# Altium PCB druino_uno_pcb.PcbDoc (part 1 of 3) (continued)
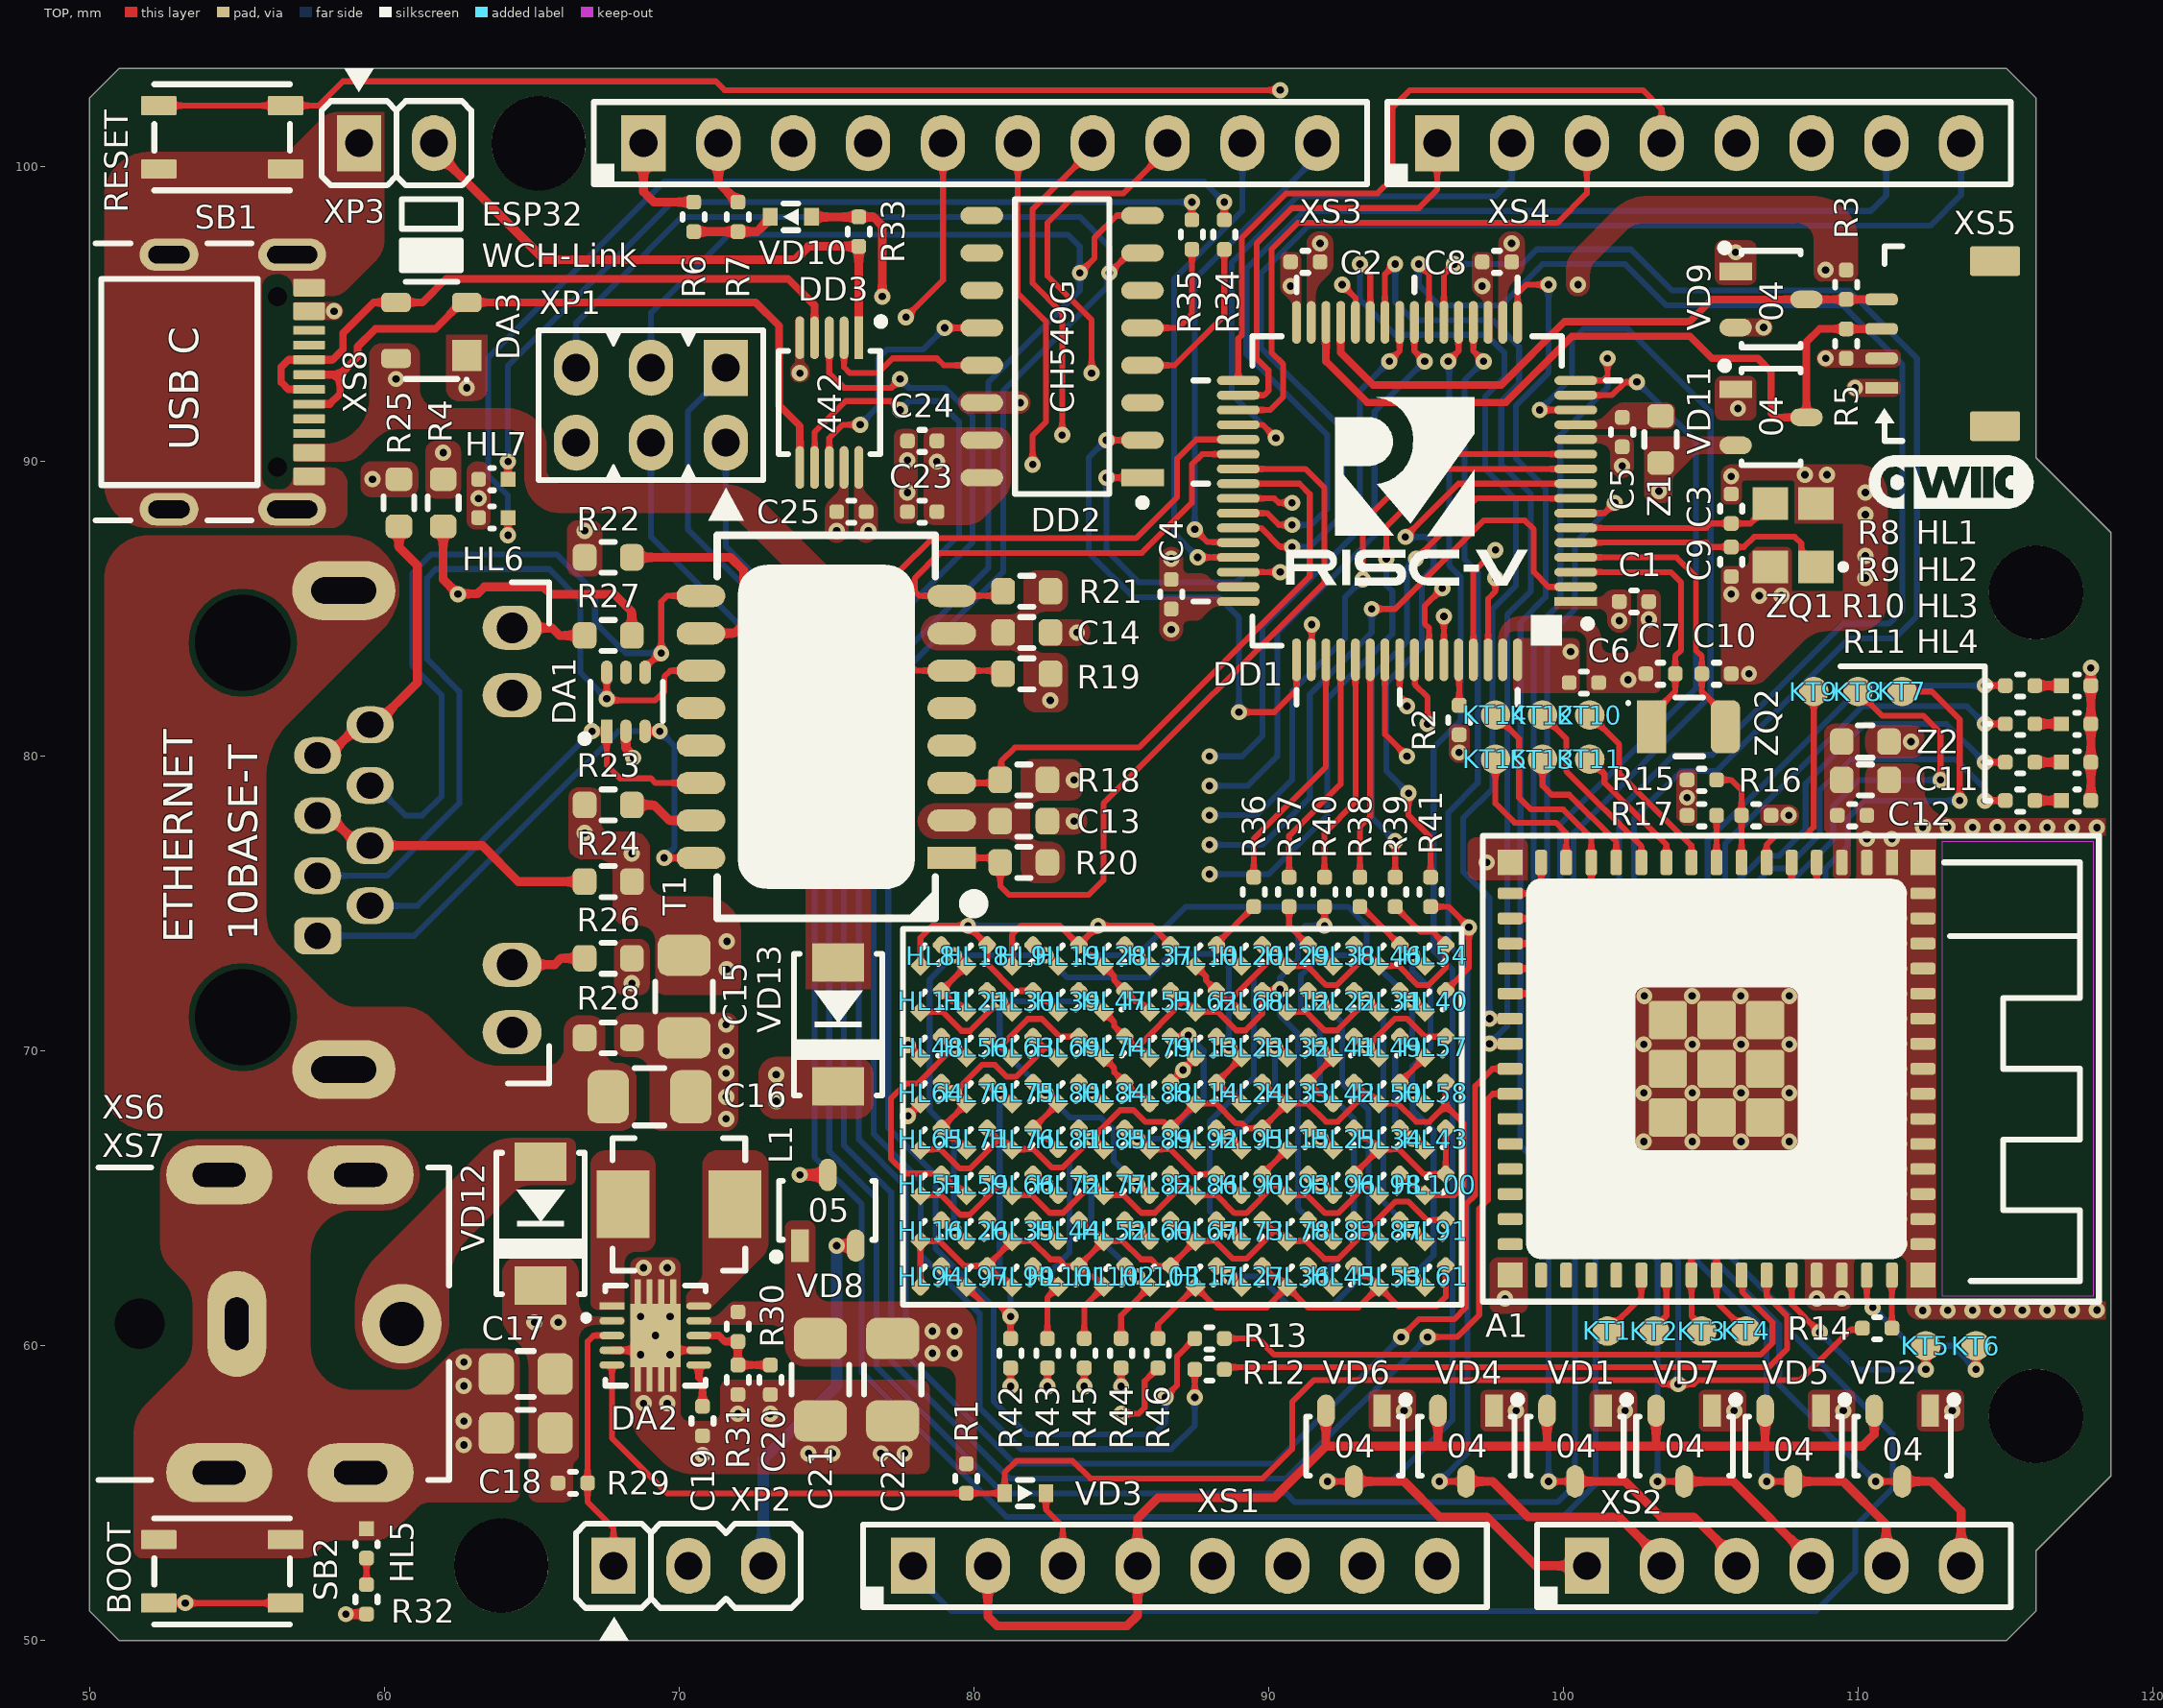
[diagram p0: TOP view]
## Footprints (in the part's own frame and the unit in brackets; to place one, negate y for a bottom-side part, rotate by r counter-clockwise, add the part's x,y. Pads: shape width x height; smd on the part's side, far side on the other; paste and mask are expansions set on the pad) (continued)
  silkscreen extent -7.25,-7.25 7.25,7.25, body extent -6,-6 6,6, height 1.6
MSOP-10 [mm] "TSOP, 8-Leads, Body 3.00x3.00mm, Pitch 0.65mm, IPC Medium Density"
  rect 1.45x0.3 smd paste+0 mask+0.03: 1(-2.2,1)
  oval 1.45x0.3 smd paste+0 mask+0.03: 2(-2.2,0.5) 3(-2.2,0) 4(-2.2,-0.5) 5(-2.2,-1) 6(2.2,-1) 7(2.2,-0.5) 8(2.2,0) 9(2.2,0.5) 10(2.2,1)
  silkscreen extent -2.87,-1.73 1.75,1.88, body extent -2.45,-1.5 2.45,1.5, height 1.15
PBS-6(blue) [mm] "H = 8.5mm"
  rect 1.9x1.5 hole 0.95: 1(0,6.39)
  oval 1.9x1.5 hole 0.95: 2(0,3.85) 3(0,1.31) 4(0,-1.23) 5(0,-3.77) 6(0,-6.31)
  silkscreen extent -1.4,-8 1.4,8.08, body extent -1.25,-7.83 1.25,7.91, height 8.5
PBS-8(BLUE) [mm] "H = 8.5mm"
  rect 1.9x1.5 hole 0.95: 1(0,8.93)
  oval 1.9x1.5 hole 0.95: 2(0,6.39) 3(0,3.85) 4(0,1.31) 5(0,-1.23) 6(0,-3.77) 7(0,-6.31) 8(0,-8.85)
  silkscreen extent -1.4,-10.54 1.4,10.62, body extent -1.25,-10.37 1.25,10.45, height 8.5
PBS-10(BLUE) [mm] "H = 8.5mm"
  rect 1.9x1.5 hole 0.95: 1(0,11.47)
  oval 1.9x1.5 hole 0.95: 2(0,8.93) 3(0,6.39) 4(0,3.85) 5(0,1.31) 6(0,-1.23) 7(0,-3.77) 8(0,-6.31) 9(0,-8.85) 10(0,-11.39)
  silkscreen extent -1.4,-13.08 1.4,13.16, body extent -1.25,-12.91 1.25,12.99, height 8.5
PLD-6 [mm]
  rect 1.9x1.5 hole 0.95: 1(1.27,-2.54)
  oval 1.9x1.5 hole 0.95: 2(-1.27,-2.54) 3(1.27,0) 4(-1.27,0) 5(1.27,2.54) 6(-1.27,2.54)
  silkscreen extent -2.54,-3.81 2.54,3.81, body extent -2.5,-3.81 2.5,3.81, height 8.4
PLS-2 [mm]
  rect 1.9x1.5 hole 0.95: 1(0,0)
  oval 1.9x1.5 hole 0.95: 2(0,2.54)
  silkscreen extent -2.54,-1.27 1.43,3.81, body extent -1.27,-1.27 1.27,3.81, height 8.54
PLS-3 [mm]
  rect 1.9x1.5 hole 0.95: 1(0,0)
  oval 1.9x1.5 hole 0.95: 2(0,2.54) 3(0,5.08)
  silkscreen extent -1.43,-1.27 2.53,6.35, body extent -1.27,-1.27 1.27,6.35, height 8.54
PWSON-10 [mm] "Power QFN 3mm x 3mm"
  rect 0.25x0.85 smd paste-0.025 mask+0.03: 1(-1,-1.475)
  oval 0.25x0.85 smd paste-0.025 mask+0.03: 2(-0.5,-1.475) 3(0,-1.475) 4(0.5,-1.475) 5(1,-1.475) 6(1,1.475) 7(0.5,1.475) 8(0,1.475) 9(-0.5,1.475) 10(-1,1.475)
  rect 1.05x0.21 smd paste-3 mask+0.03: EP(-1.375,-0.2) EP(-1.375,0.2) EP(-1.375,0.6) EP(-1.375,-0.6) EP(1.375,0.6) EP(1.375,-0.6) EP(1.375,-0.2) EP(1.375,0.2)
  rect 2.15x1.7 smd paste-3 mask+0.03: EP(0,0)
  silkscreen extent -1.7,-2.45 1.7,1.7, body extent -1.52,-1.52 1.52,1.52, height 0.8
RES0402B [mm] "Resistor 0402"
  rrect50% 0.5x0.5 smd mask+0.05: 1(-0.5,0) 2(0.5,0)
  silkscreen extent -0.1,-0.38 0.1,0.38, body extent -0.52,-0.27 0.53,0.28, height 0.41
RES0603B [mm] "Resistor 0603"
  rrect50% 0.8x0.9 smd: 1(-0.8,0) 2(0.8,0)
  silkscreen extent -0.23,-0.53 0.23,0.53, body extent -0.85,-0.45 0.85,0.45, height 0.56
SC70-6 [mm]
  rect 0.8x0.4 smd paste+0 mask+0.05: 1(-1,0.65)
  oval 0.8x0.4 smd paste+0 mask+0.05: 2(-1,0) 3(-1,-0.65) 4(1,-0.65) 5(1,0) 6(1,0.65)
  silkscreen extent -1.37,-1.25 0.67,1.52, body extent -1.2,-1.1 1.2,1.1, height 1.1
SM04B-SRSS-TB [mm]
  rect 0.4x1.1 smd mask+0.05: 1(-1.5,2.2)
  rrect70% 0.4x1.1 smd mask+0.05: 2(-0.5,2.2) 3(0.5,2.2) 4(1.5,2.2)
  rrect15% 1x1.7 smd mask+0.05: M1(-2.8,-1.65) M2(2.8,-1.65)
  silkscreen extent -3.3,1.5 3.3,2.43, body extent -3,-2.5 3,2.45, height 2.96
SMA-FL [mm] "SMA-FL Case 403AA Style 6"
  rect 1.3x1.76 smd: 1(-2.1,0) 2(2.1,0)
  silkscreen extent -2.4,-1.5 2.4,1.5, body extent -2.55,-1.3 2.55,1.3, height 1.25
SMD3225 [mm]
  rect 1.1x1.2 smd mask+0.05: 1(-1.075,-0.775) 2(1.075,-0.775) 3(1.075,0.775) 4(-1.075,0.775)
  silkscreen extent -1.17,-1.8 -0.98,-1.6, body extent -1.6,-1.25 1.6,1.25, height 0.61
SOD-523 [mm]
  rect 0.5x0.6 smd mask+0.05: 1(-0.7,0) 2(0.7,0)
  silkscreen extent -0.26,-0.45 0.25,0.45, body extent -0.77,-0.4 0.77,0.4, height 0.62
SOIC-16 [mm] "package SOIC-16, 150 mil"
  rect 1.45x0.6 smd paste+0 mask+0.05: 1(-2.725,4.445)
  oval 1.45x0.6 smd paste+0 mask+0.05: 2(-2.725,3.175) 3(-2.725,1.905) 4(-2.725,0.635) 5(-2.725,-0.635) 6(-2.725,-1.905) 7(-2.725,-3.175) 8(-2.725,-4.445) 9(2.725,-4.445) 10(2.725,-3.175) 11(2.725,-1.905) 12(2.725,-0.635) 13(2.725,0.635) 14(2.725,1.905) 15(2.725,3.175) 16(2.725,4.445)
  silkscreen extent -2.85,-5 1.6,5.42, body extent -3,-5 3,5, height 1.75
SOT23-3 [mm] "SOT23, 6-Leads, Body 2.90x2.80mm, Pitch 0.95mm, IPC Medium Density"
  rect 1.1x0.6 smd paste+0 mask+0.05: 1(-1.2,0.95)
  oval 1.1x0.6 smd paste+0 mask+0.05: 2(-1.2,-0.95) 3(1.2,0)
  silkscreen extent -1.7,-1.63 1,1.88, body extent -1.3,-1.45 1.3,1.45, height 1.14
SOT143 [mm] "SOT143, 4-Leads, Body 2.92x2.37mm, Pitch 1.90mm, IPC Medium Density"
  rect 1x1.05 smd paste+0 mask+0.05: 1(-1.2,0.85)
  rrect50% 1x0.65 smd paste+0 mask+0.05: 2(-1.2,-0.95) 3(1.2,-0.95) 4(1.2,0.95)
  silkscreen extent -1.25,-1.65 0.87,1.72, body extent -1.18,-1.45 1.18,1.45, height 1.22
TEST_PAD_R1mm [mm]
  round 1 smd mask+0.05: 1(0,0)
TVAF11 [mm]
  rrect10% 1.2x0.65 smd: 1(-2.15,1.075) 2(2.15,1.075) 3(-2.15,-1.075) 4(2.15,-1.075)
  silkscreen extent -2.3,-1.8 2.3,1.8, body extent -2.55,-1.6 2.55,1.6, height 2.51
YST310S [mm]
  rect 1x1.8 smd: 1(-1.25,0)
  rrect50% 1x1.8 smd: 2(1.25,0)
  silkscreen extent -2.05,-1 0.5,1, body extent -1.6,-0.75 1.6,0.75, height 0.75

## Part data
A1: "2.4 GHz WiFi + Bluetooth® + Bluetooth LE module", Manufacturer="Espressif Systems", Part Number=ESP32-S3-MINI-1-N8
C1 C2 C4 C5 C6 C8 C12 C19 C23 C24 C25: library part C0402, "Capacitors 0402 package case", Dielectric=X7R, Manufacturer=CCTC, Package=0402, Part Number=TCC0402X7R104J500AT, Tolerance="± 5 %", Voltage="50 V", Value on schem=0.1u
C3 C7 C9 C10 C20: library part C0402, "Capacitors 0402 package case", Dielectric=NP0, Manufacturer=CCTC, Package=0402, Part Number=TCC0402COG120F500AT, Tolerance="± 1 %", Voltage="50 V", Value on schem=12p
C11: library part C0603, "Capacitors 0603 package case", Dielectric=X7R, Manufacturer=CCTC, Package=0603, Part Number=TCC0603X7R106M6R3CT, Tolerance="± 20 %", Voltage=6.3V, Value on schem=1u
C13 C14: library part C0603, "Capacitors 0603 package case", Dielectric=X7R, Manufacturer=CCTC, Package=0603, Part Number=TCC0603X7R473K500CT, Tolerance="± 10 %", Voltage=50V, Value on schem=0.047u
C15: library part C1206, "Capacitors 1206 package case", Dielectric=X7R, Manufacturer=CCTC, Package=1206, Part Number=TCC1206X7R222K102FT, Tolerance="± 10 %", Voltage=1000V, Value on schem=2200p
C16: library part C1206, "Capacitors 1206 package case", Dielectric=X7R, Manufacturer=CCTC, Package=1206, Part Number=TCC1206X7R472K102FT, Tolerance="± 10 %", Voltage=1000V, Value on schem=4700p
C17 C18: library part C0805, "Capacitors 0805 package case", Dielectric=X7R, Manufacturer=CCTC, Package=0805, Part Number=TCC0805X7R106K250FT, Tolerance="± 10 %", Voltage=25V, Value on schem=10u
C21 C22: library part C1206, "Capacitors 1206 package case", Dielectric=X7R, Manufacturer=CCTC, Package=1206, Part Number=TCC1206X7R226M160HT, Tolerance="± 20 %", Voltage=16V, Value on schem=22u
DA1: "6 Quad-Channel, High-Speed ESD Protection Device", Manufacturer="Texas Instruments", Package=SC70-6, Part Number=TPD4E1U06DCKR
DA2: "High Input Voltage, 2A Buck-Boost Converter", Manufacturer="Texas Instruments", Package=PWSON-10, Part Number=TPS63060DSC
DA3: "Ultra low capacitance double rail-to-rail ESD protection diode", Manufacturer="NXP USA Inc.", Package=SOT-143, Part Number=PRTR5V0U2X
DD1: "RISC-V MCU 144MHz with 256KB flash, 64KB RAM", Manufacturer=WinChipHead, Package=LQFP-64, Part Number=CH32V307RCT6
DD2: "8-bit Enhanced USB MCU", Manufacturer=WinChipHead, Package=SOP16, Part Number=CH549G
DD3: "Double-pole Double-throw Low-Resistance Analog Switch IC", Manufacturer=WinChipHead, Package=MSOP-10, Part Number=CH442E
HL1 HL2 HL3 HL4 HL5: "Green led (package case 0402)", Color=Green, Forward Current="20 mA", Forward Voltage=3.3V, Manufacturer="Kingbright Company LLC.", Package=0402, Part Number=KPHHS-1005ZGC-V, Wavelength="515 nm"
HL6: "Red led (package case 0402)", Color=Red, Forward Current="20 mA", Forward Voltage=1.95V, Manufacturer="Kingbright Company LLC.", Package=0402, Part Number=KPHHS-1005SURCK, Wavelength="630 nm"
HL7 HL8 HL9 HL10 HL11 HL12 HL13 HL14 HL15 HL16 HL17 HL18 HL19 HL20 HL21 HL22 HL23 HL24 HL25 HL26 HL27 HL28 HL29 HL30 HL31 HL32 HL33 HL34 HL35 HL36 HL37 HL38 HL39 HL40 HL41 HL42 HL43 HL44 HL45 HL46 HL47 HL48 HL49 HL50 HL51 HL52 HL53 HL54 HL55 HL56 HL57 HL58 HL59 HL60 HL61 HL62 HL63 HL64 HL65 HL66 HL67 HL68 HL69 HL70 HL71 HL72 HL73 HL74 HL75 HL76 HL77 HL78 HL79 HL80 HL81 HL82 HL83 HL84 HL85 HL86 HL87 HL88 HL89 HL90 HL91 HL92 HL93 HL94 HL95 HL96 HL97 HL98 HL99 HL100 HL101 HL102 HL103: "Blue led (package case 0402)", Color=Blue, Forward Current="20 mA", Forward Voltage=3.3V, Manufacturer="Kingbright Company LLC.", Package=0402, Part Number=KPHHS-1005QBC-D-V, Wavelength="465 nm"
KT1 KT2 KT3 KT4 KT5 KT6 KT7 KT8 KT9 KT10 KT11 KT12 KT13 KT14 KT15: "Test pad"
L1: library part IHLP1616BZER1R0M01, "Shielded SMD Power Inductors", Inductance @ 100 kHz=1uH, Manufacturer="Vishay Dale", Package="4.06mm x 4.06mm", Irms  Max="4.5 A", Isat  Typ="5 A", Part Number=IHLP2020BZERR22M01, RDC="27 mOhm", SRF Min="64 MHz"
R1 R29 R33: library part R0402, "Resistor 0402 package case", Manufacturer=Yageo, Package=0402, Part Number=RC0402FR-0710KL, Temperature coefficient="±100 ppm/K", Tolerance="± 1 %", Value on schem=10k
R2 R12 R13 R14: library part R0402, "Resistor 0402 package case", Manufacturer=Yageo, Package=0402, Part Number=RC0402FR-070RL, Temperature coefficient="±100 ppm/K", Tolerance="± 1 %", Value on schem=0
R3 R5 R6 R7: library part R0402, "Resistor 0402 package case", Manufacturer=Yageo, Package=0402, Part Number=RC0402FR-074K7L, Temperature coefficient="±100 ppm/K", Tolerance="± 1 %", Value on schem=4.7k
R4: library part R0603, "Resistor 0603 package case", Manufacturer=Yageo, Package=0603, Part Number=RC0603FR-074K7L, Temperature coefficient=±100/K, Tolerance="± 1 %", Voltage=100V, Value on schem=4.7k
R8 R9 R10 R11 R32 R35: library part R0402, "Resistor 0402 package case", Manufacturer=Yageo, Package=0402, Part Number=RC0402FR-07560RL, Temperature coefficient="±100 ppm/K", Tolerance="± 1 %", Value on schem=560
R15 R16 R17 R30: library part R0402, "Resistor 0402 package case", Manufacturer=Yageo, Package=0402, Part Number=RC0402FR-07100KL, Temperature coefficient="±100 ppm/K", Tolerance="± 1 %", Value on schem=100k
R18 R19 R20 R21: library part R0603, "Resistor 0603 package case", Manufacturer=Yageo, Package=0603, Part Number=RC0603FR-0751RL, Temperature coefficient=±100/K, Tolerance="± 1 %", Voltage=100V, Value on schem=51
R22 R23 R24 R25: library part R0603, "Resistor 0603 package case", Manufacturer=Yageo, Package=0603, Part Number=RC0603FR-0775RL, Temperature coefficient=±100/K, Tolerance="± 1 %", Voltage=100V, Value on schem=75
R26: library part R0603, "Resistor 0603 package case", Manufacturer=Yageo, Package=0603, Part Number=RC0603FR-07750RL, Temperature coefficient=±100/K, Tolerance="± 1 %", Voltage=100V, Value on schem=750
R27: library part R0603, "Resistor 0603 package case", Manufacturer=Yageo, Package=0603, Part Number=RC0603FR-07560RL, Temperature coefficient=±100/K, Tolerance="± 1 %", Voltage=100V, Value on schem=560
R28: library part R0603, "Resistor 0603 package case", Manufacturer=Yageo, Package=0603, Part Number=RC0603FR-071ML, Temperature coefficient=±100/K, Tolerance="± 1 %", Voltage=100V, Value on schem=1M
R31: library part R0402, "Resistor 0402 package case", Manufacturer=Yageo, Package=0402, Part Number=RC0402FR-0718KL, Temperature coefficient="±100 ppm/K", Tolerance="± 1 %", Value on schem=18k
R34: library part R0402, "Resistor 0402 package case", Manufacturer=Yageo, Package=0402, Part Number=RC0402FR-07750RL, Temperature coefficient="±100 ppm/K", Tolerance="± 1 %", Value on schem=750
R36 R37 R38 R39 R40 R41 R42 R43 R44 R45 R46: library part R0402, "Resistor 0402 package case", Manufacturer=Yageo, Package=0402, Part Number=RC0402FR-07330RL, Temperature coefficient="±100 ppm/K", Tolerance="± 1 %", Value on schem=330
SB1 SB2: library part TVAF11, "Tact Button SMD 4х3х2.5mm", Manufacturer=KLS, Package=3x4mm, Part Number="KLS7-TS3401- 2.5-180"
T1: "10/100BASE-T Ethernet transformer Ratio 1:1 350 uH", Manufacturer="Pulse Electronics", Part Number=H1102NL
VD1 VD2 VD4 VD5 VD6 VD7 VD8 VD9 VD11: "Small Signal Schottky Diodes", Manufacturer="Diodes Incorporated", Package=SOT23-3
  VD1 VD2 VD4 VD5 VD6 VD7 VD9 VD11: Part Number=BAS70-04
  VD8: Part Number=BAS70-05
VD3 VD10: "High-speed switching diode", Manufacturer="NXP USA Inc.", Package=SOD-523, Part Number=BAS516,115
VD12 VD13: "3A Schottky barrier rectifier", Manufacturer=UMW, Package=SMAF, Part Number=SS34F
XS1 XS2 XS3 XS4: "2.54mm Female Header V/T Type, H = 8.5mm", Manufacturer=Connfly
  XS1 XS4: Part Number=DS1023-1x8S21
  XS2: Part Number=DS1023-1x6S21
  XS3: Part Number=DS1023-1x10S21
XS5: library part SM04B-SRSS-TB, "CONNECTOR, HEADER, SMT, R/A, 1MM, 4WAY", Manufacturer=JST, Part Number=SM04B-SRSS-TB(LF)(SN)
XS6: "RJ-45", Manufacturer=KLS, Author=Sklyarov, Part Number=KLS12-108-8P8C-1X1-2-R/G-0-01
XS7: "Shrouded DC Power Receptacle 2mm 6.3mm 8A 24V", Manufacturer="XKB Connectivity", Part Number=DC-042C-Z-2.0
XS8: "USB 2.0 Female 3A Surface 16P", Manufacturer=G-Switch, Part Number=GT-USB-7010ASV
Z1 Z2: "Power line filter, imperdance 1500 Ohm @100MHz (current 0.5A)", Manufacturer=Murata, Package=0603, Part Number=BLM18HE152SN1D
ZQ1: "Quartz Crystal 8 MHz", ESR (Equivalent Series Resistance)="70 Ohms", Frequency Stability=±30ppm, Frequency Tolerance=±20ppm, Load Capacitance=12pF, Manufacturer=YXC, Operating Mode=Fundamental, Package=SMD3225, Part Number=X32258MOB4SI
ZQ2: "Quartz Crystal 32768 Hz", ESR (Equivalent Series Resistance)="70 Ohms", Frequency Stability=±30ppm, Frequency Tolerance=±20ppm, Load Capacitance="12.5 pF", Manufacturer=YXC, Operating Mode=Fundamental, Package=SMD3215, Part Number=X321532768KGD2SI

## Free pads (board coordinates)
  round 3.2 hole 3.2: M1(65.24,100.8) M2(116.04,85.56) M3(116.04,57.62) M4(63.97,52.54)

## Via types
v1: diameter 0.55, hole 0.25, TOP to BOT, tented both sides, 314 vias

## Nets (pads, with @x,y where several pads share a name; then routed paths per layer and width w, separated by ;. In a path a pad name is that pad's centre, name@x,y a point inside that pad or via, vN(x,y) a via of type N, cw(c..) or ccw(c..) an arc to the next point about the centre after c; other vN are vias at no path point)
A0_D14: DD1.21 VD6.3 XS2.1 | length 53.3
  TOP w0.2: v1(92,55.4) VD6.3@92.9,55.4 ; v1(96.1,93.4) 96.45,93.75 DD1.21@96.45,94.725
  TOP w0.3: VD6.3@92.9,55.4 94.6,55.4 95.8,54.2 97.4,54.2 99.06,52.54 XS2.1@100.8,52.54
  BOT w0.2: v1(92,55.4) 94.15,55.4 96.25,57.5 96.25,72.75 95.6,73.4 95.6,80.3 96.525,81.225 96.525,86.075 96.132,86.468 96.132,93.368 v1(96.1,93.4)
A1_D15: DD1.20 VD4.3 XS2.2 | length 49.8
  TOP w0.2: v1(95.8,55.4) VD4.3@96.7,55.4 ; DD1.20@96.95,94.725 96.95,93.75 v1(97.3,93.4)
  TOP w0.3: VD4.3@96.7,55.4 97.6,55.4 98.8,54.2 101.88,54.2 103.34,52.74 XS2.2@103.34,52.54
  BOT w0.2: v1(95.8,55.4) 96.75,56.35 96.75,72.95 96.1,73.6 96.1,78.1 97.1,79.1 97.1,86.25 96.65,86.7 96.65,92.75 v1(97.3,93.4)
A2_D16: DD1.17 VD1.3 XS2.3 | length 52
  TOP w0.2: DD1.17@98.45,94.725 98.45,95.7 98.75,96 v1(99.5,96) ; v1(99.5,55.4) VD1.3@100.4,55.4
  TOP w0.3: VD1.3@100.4,55.4 102.1,55.4 103.3,54.2 104.42,54.2 105.88,52.74 XS2.3@105.88,52.54
  BOT w0.2: v1(99.5,55.4) 99.5,65.85 98.55,66.8 98.55,84.55 99.4,85.4 99.4,89.1 98.4,90.1 98.4,91.9 99.5,93 v1(99.5,96)
A3_D17: DD1.16 VD7.3 XS2.4 | length 49.1
  TOP w0.2: DD1.16@100.425,92.75 101.35,92.75 101.5,92.9 v1(101.5,93.5) ; v1(103.2,55.4) VD7.3@104.1,55.4
  TOP w0.3: VD7.3@104.1,55.4 105.76,55.4 108.42,52.74 XS2.4@108.42,52.54
  BOT w0.2: v1(101.5,93.5) 101.5,92.5 99.9,90.9 99.9,85.2 99,84.3 99,67.1 103.2,62.9 v1(103.2,55.4)
A4_D18: DD1.15 VD5.3 XS2.5 | length 51.3
  TOP w0.2: DD1.15@100.425,92.25 101.65,92.25 102.093,92.693 102.493,92.693 v1(102.5,92.7) ; v1(106.9,55.4) VD5.3@107.8,55.4
  TOP w0.3: VD5.3@107.8,55.4 109.5,55.4 110.96,53.94 XS2.5@110.96,52.54
  BOT w0.2: v1(102.5,92.7) 104.5,90.7 104.5,82.3 99.9,77.7 99.9,67.5 106.9,60.5 v1(106.9,55.4)
A5_D19: DD1.14 VD2.3 XS2.6 | length 57.7
  TOP w0.2: v1(99.2,91.75) DD1.14@100.425,91.75 ; v1(110.6,55.4) VD2.3@111.5,55.4
  TOP w0.3: VD2.3@111.5,55.4 112.5,55.4 113.5,54.4 XS2.6@113.5,52.54
  BOT w0.2: v1(99.2,91.75) 100.3,92.85 100.3,94.1 100.7,94.5 102.2,94.5 105,91.7 105,82.05 100.35,77.4 100.35,67.7 107.325,60.725 107.325,58.675 v1(110.6,55.4)
CH32_RESET#: DA2.5 DD1.7 R1.2 R14.2 SB1.3 SB1.4 VD3.2 | length 147.7
  TOP w0.2: SB1.4@52.35,102.075 SB1.3@56.65,102.075 57.775,102.075 58.6,102.9 71.25,102.9 71.55,102.6 v1(90.4,102.6) ; DA2.5@67.725,59.35 67.725,56.875 69.6,55 R1.2@79.75,55 VD3.2@81.05,55 81.05,55.7 81.45,56.1 83.35,56.1 83.95,55.5 89.8,55.5 90.8,56.5 90.8,58.1 91.535,58.835 103.235,58.835 103.371,58.7 v1(103.9,58.7) 104.429,58.7 104.565,58.835 108.035,58.835 109.749,60.549 110.099,60.549 R14.2@110.15,60.6 ; DD1.7@100.425,88.25 101.4,88.25 v1(101.75,88.6)
  PWR w0.2: v1(90.4,102.6) 90.4,99.9 91.1,99.2 100.8,99.2 101.4,98.6 101.4,94.65 100.6,93.85 100.6,89.75 v1(101.75,88.6)
  BOT w0.2: v1(101.75,88.6) 100.4,87.25 100.4,85 99.45,84.05 99.45,67.3 103.9,62.85 v1(103.9,58.7)
CH32_SWCLK: DD1.49 DD2.2 | length 17.8
  TOP w0.2: v1(84.5,90.725) DD2.2@85.725,90.725 ; v1(89,81.5) 90.2,81.5 90.95,82.25 DD1.49@90.95,83.275
  BOT w0.2: v1(84.5,90.725) 83.9,90.125 83.9,86.9 85.4,85.4 88.3,85.4 89,84.7 v1(89,81.5)
CH32_SWDIO: DD1.46 DD2.1 | length 11.4
  TOP w0.2: v1(84.5,89.455) DD2.1@85.725,89.455 ; DD1.46@88.975,86.25 v1(90.4,86.25)
  BOT w0.2: v1(84.5,89.455) 84.5,87 85.6,85.9 88.9,85.9 89.25,86.25 v1@90.2,86.25
CHANNEL_RX: A1.21 DD1.27 | length 34.1
  TOP w0.2: v1(93.1,96.7) 93.45,96.35 DD1.27@93.45,94.725 ; v1(97.5,71.1) A1.21@98.2,71.1
  BOT w0.2: v1(93.1,96.7) 93.1,95.5 94.3,94.3 97.4,94.3 98,93.7 98,92.85 97.35,92.2 97.35,89.75 98.4,88.7 98.4,85.8 97.6,85 97.6,78.9 96.6,77.9 96.6,76.1 97.5,75.2 v1(97.5,71.1)
CHANNEL_TX: A1.22 DD1.26 | length 33.8
  TOP w0.2: DD1.26@93.95,94.725 93.95,96.35 v1(94.3,96.7) ; v1(97.5,70.25) A1.22@98.2,70.25
  BOT w0.2: v1(94.3,96.7) 94.3,95.4 94.9,94.8 97.6,94.8 98.5,93.9 98.5,92.65 97.9,92.05 97.9,89.9 98.9,88.9 98.9,85.6 98.1,84.8 98.1,70.85 v1(97.5,70.25)
D0_RX: DD1.43 XS4.8 | length 40.2
  TOP w0.2: DD1.43@88.975,87.75 89.75,87.75 90.393,87.107 90.793,87.107 v1(90.8,87.1)
  BOT w0.2: v1(90.8,87.1) 91.4,87.1 92.5,88.2 92.5,91.1 89.75,93.85 89.75,96.4 91.35,98 112.45,98 113.5,99.05 XS4.8@113.5,100.8
D1_TX: DD1.42 XS4.7 | length 37.2
  TOP w0.2: DD1.42@88.975,88.25 89.95,88.25 90.35,87.85 v1(90.8,87.85)
  BOT w0.2: v1(90.8,87.85) 91.45,87.85 92,88.4 92,90.9 89.25,93.65 89.25,96.55 91.2,98.5 110.43,98.5 110.96,99.03 XS4.7@110.96,100.8
D2: DD1.62 XS4.6 | length 29.7
  TOP w0.2: DD1.62@97.45,83.275 97.45,85.35 97.7,85.6 v1(97.7,86.05)
  PWR w0.2: v1(97.7,86.05) 104.8,86.05 107.2,88.45 107.2,89.936 107.764,90.5 109.9,90.5 111.1,91.7 111.1,96.45 108.42,99.13 XS4.6@108.42,100.8
D3: DD1.61 XS4.5 | length 30.5
  TOP w0.2: DD1.61@96.95,83.275 96.95,86.25 v1(97.7,87)
  PWR w0.2: v1(97.7,87) 104.95,87 106.65,88.7 106.65,90.15 107.5,91 109.6,91 110.5,91.9 110.5,96.18 XS4.5@105.88,100.8